# Altium PCB Copy of DIOT_temperature_logger.PcbDoc (part 1 of 7)
Units mm, origin at the board's own origin, x right, y up, seen from the top; angles counter-clockwise.
Board outline 301.1 x 109.1 mm, 4 copper layers (TOP, MID1, MID2, BOT), stack 1.564 mm thick; 651 components, 619 nets, 2526 pads, 1345 vias.
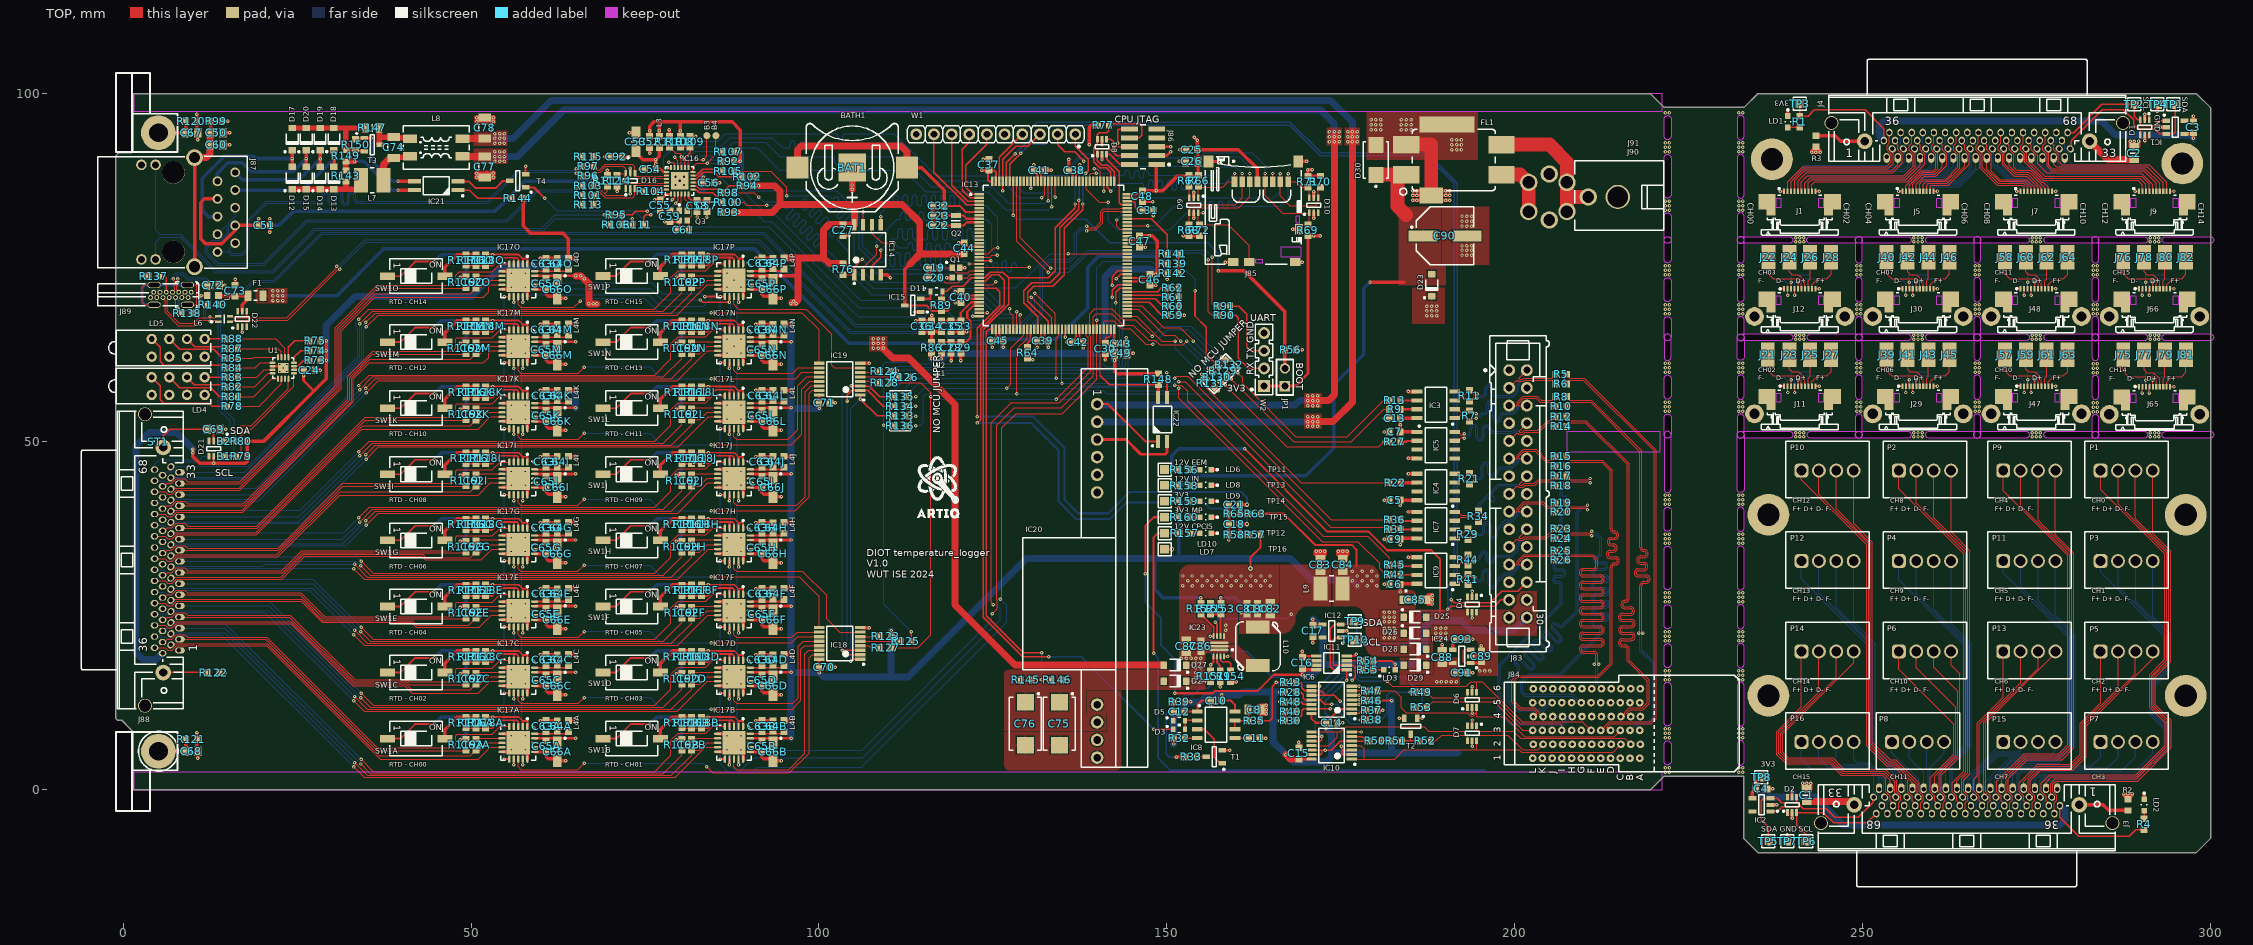
[diagram p0: TOP view]
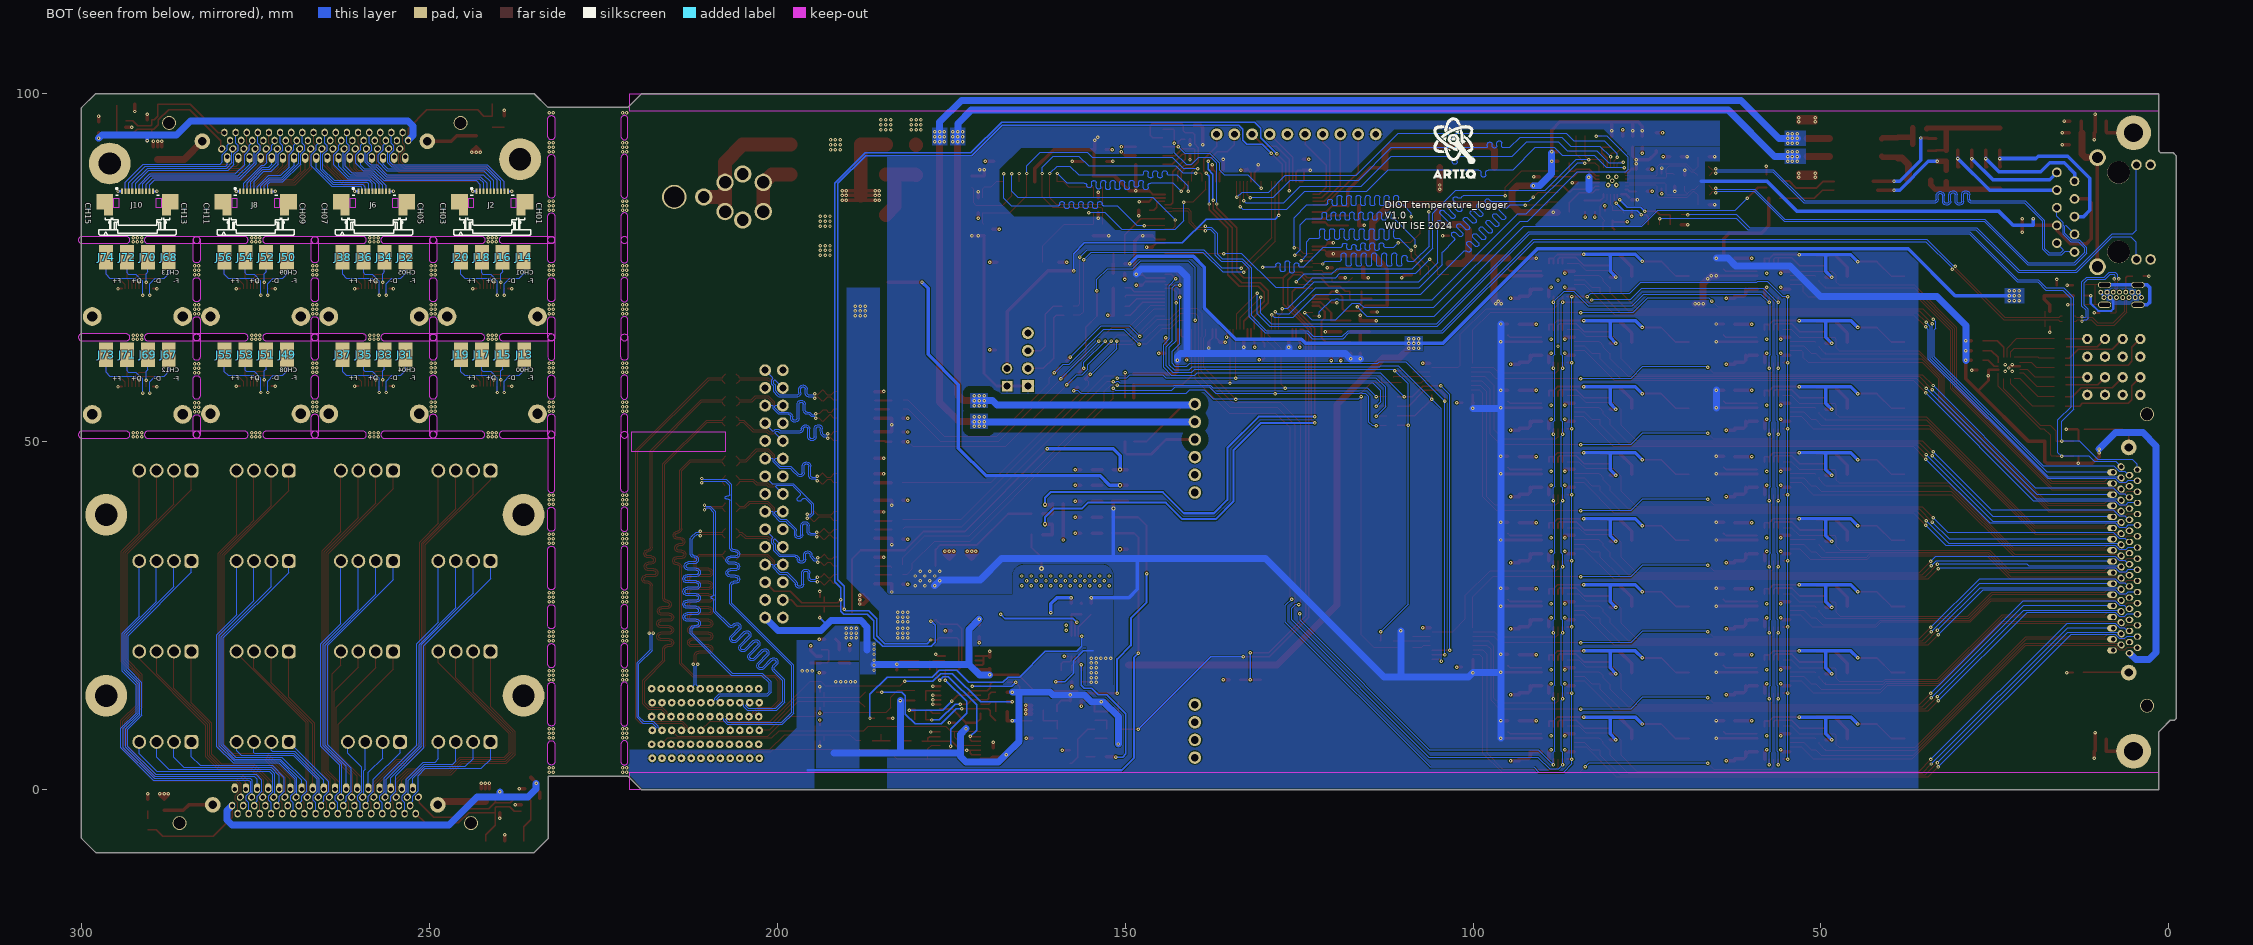
[diagram p1: BOT view, seen from below]
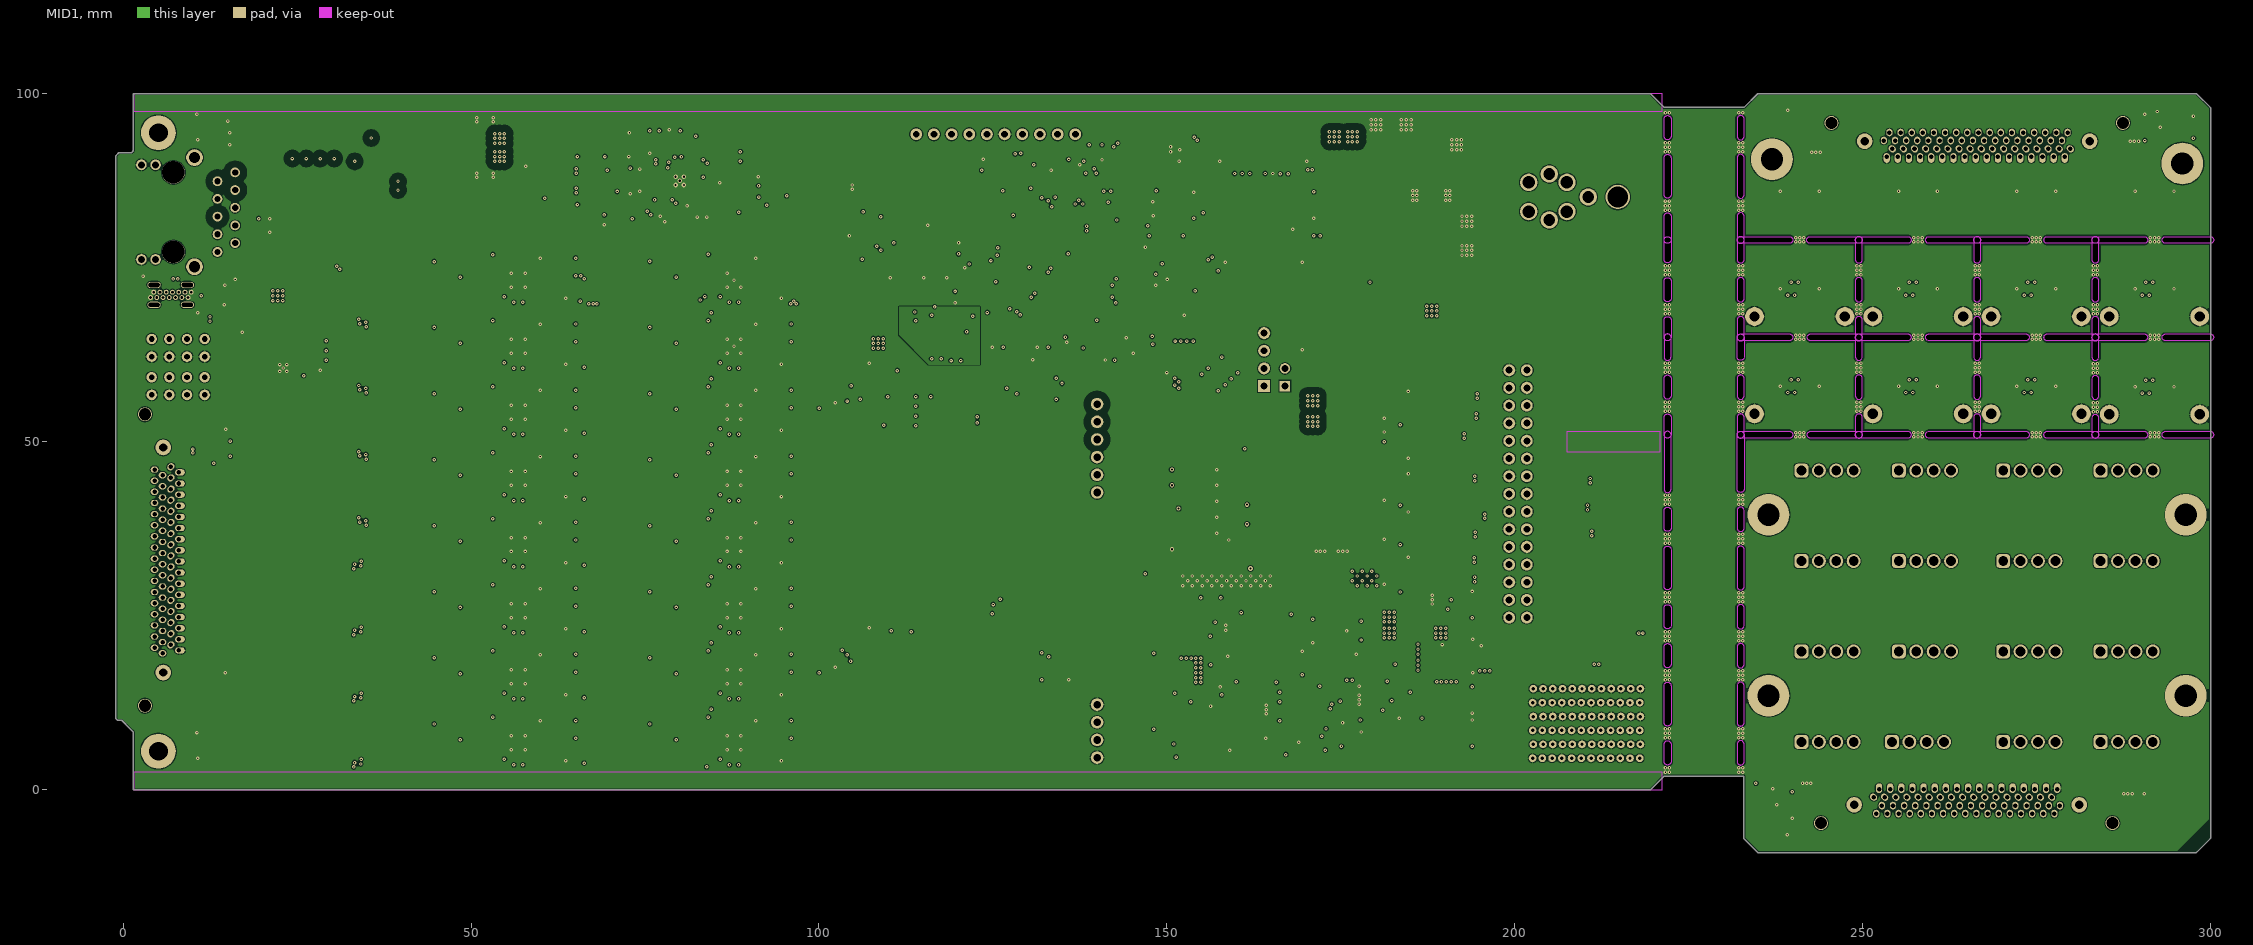
[diagram p2: MID1]
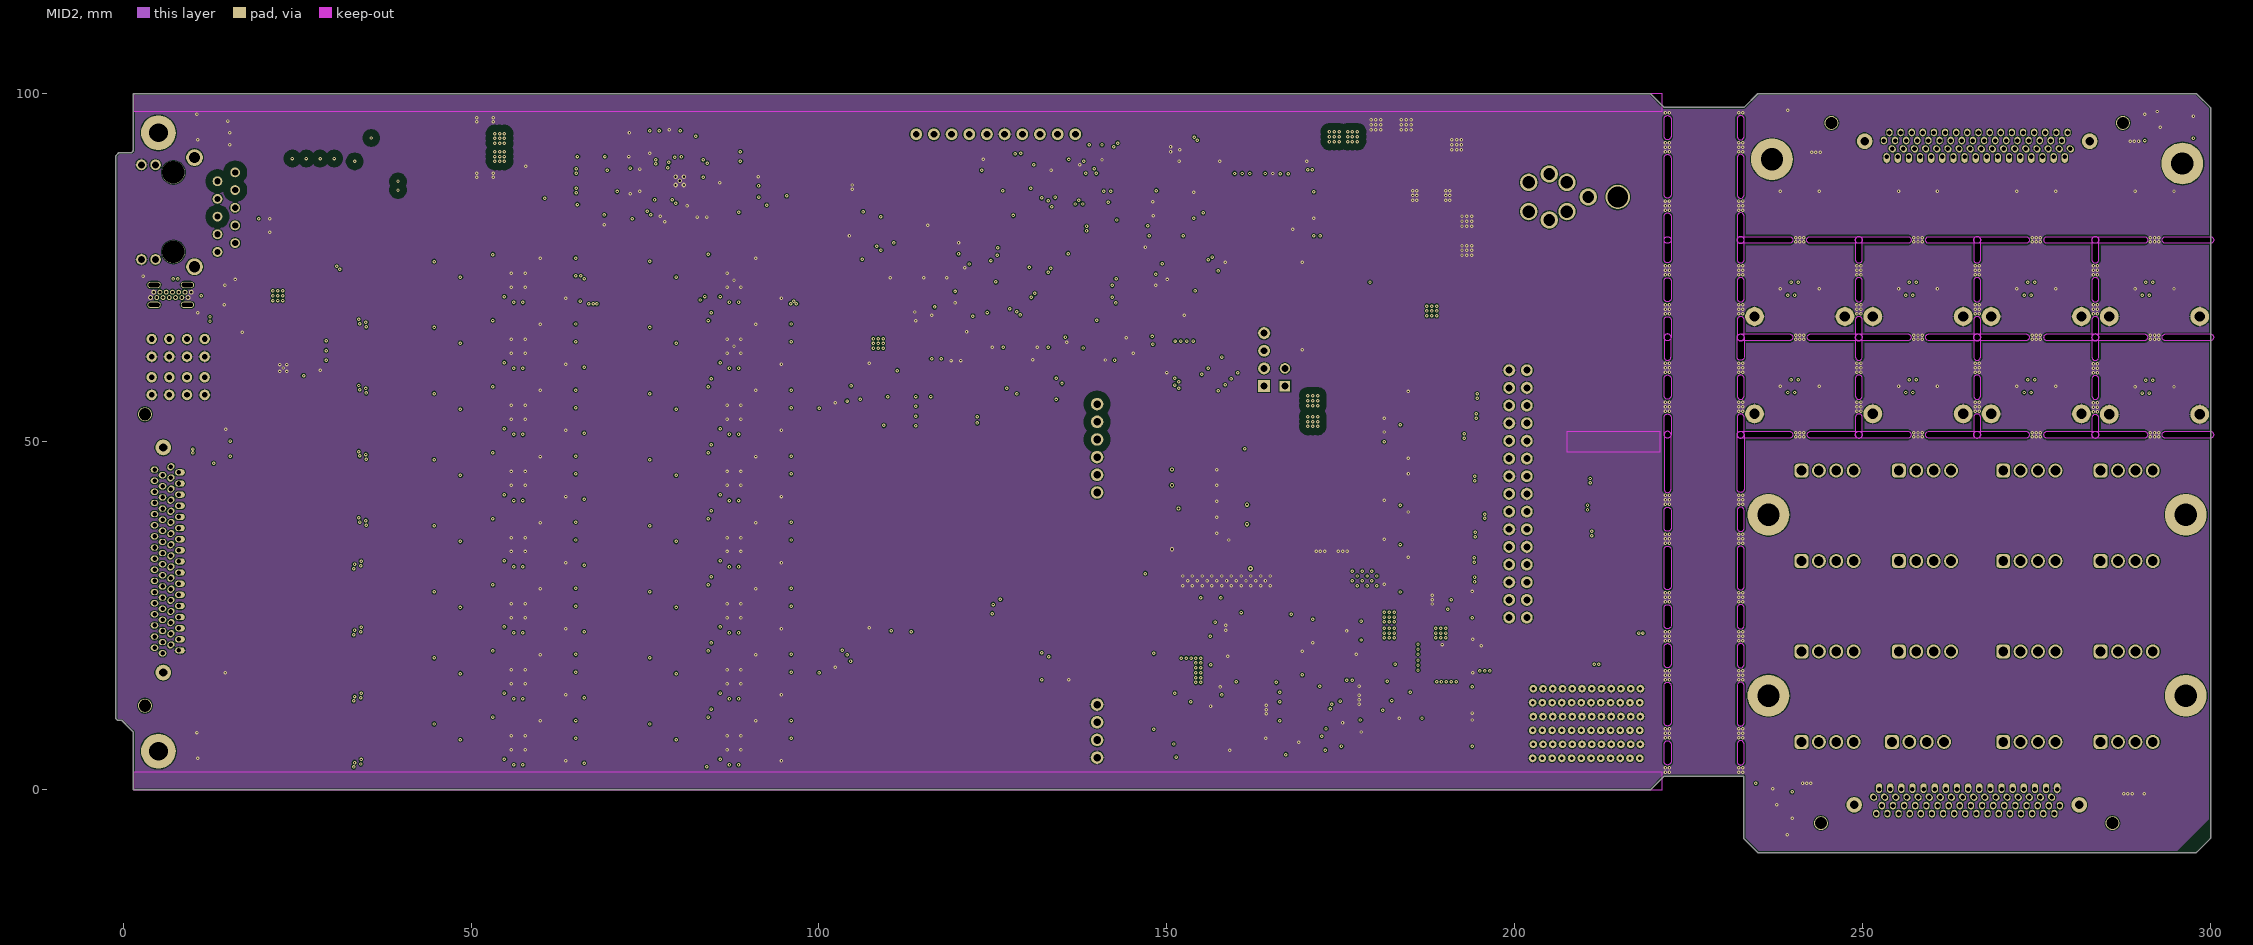
[diagram p3: MID2]

## Layer stack, top to bottom
TopSolder: solder mask 0.01, Solder Resist, Dk 3.5
TOP: signal copper 0.035
TOP 3313*1: prepreg 0.0994, PP-006, Dk 4.1
MID1: signal copper 0.0152
Dielectric2: core 1.265, Core-042, Dk 4.6
MID2: signal copper 0.0152
BOT 3313*1: prepreg 0.0994, PP-006, Dk 4.1
BOT: signal copper 0.035
BottomSolder: solder mask 0.01, Solder Resist, Dk 3.5

## Board outline
1.064,8.664 -0.221,9.95 -0.8,9.95 -0.836,9.964 -1.036,10.164 -1.05,10.2 -1.05,91.1 -1.036,91.136 -0.636,91.536 -0.6,91.55 1.179,91.55 1.45,91.821 1.45,100 1.5,100.05 219.5,100.05 219.536,100.036 221.521,98.051 232.961,98.051 232.976,98.048 234.964,100.036 235,100.051 298,100.051 298.036,100.036 300.036,98.036 300.05,98 300.05,65.001 300.05,51 300.05,-7 300.036,-7.035 298.036,-9.035 298,-9.05 235,-9.05 234.964,-9.035 232.964,-7.035 232.949,-6.999 232.949,1.949 221.521,1.949 219.536,-0.036 219.5,-0.05 1.5,-0.05 1.45,0 1.45,8.279
cut-out: 283.5,78.499 cw(c283.5,79) 283.5,79.5 290.5,79.5 cw(c290.5,79) 291,79 cw(c290.5,79) 290.5,78.499
cut-out: 276.6,78.499 cw(c276.6,79) 276.6,79.5 283.5,79.5 cw(c283.5,79) 284,79 cw(c283.5,79) 283.5,78.499
cut-out: 266.5,78.499 cw(c266.5,79) 266.5,79.5 273.5,79.5 cw(c273.5,79) 274,79 cw(c273.5,79) 273.5,78.499
cut-out: 259.6,78.5 cw(c259.6,79) 259.6,79.5 266.5,79.5 cw(c266.5,79) 267,79 cw(c266.5,79) 266.5,78.5
cut-out: 283,76.2 ccw(c283.5,76.2) 284,76.2 284,79 ccw(c283.5,79) 283,79
cut-out: 266,76.2 ccw(c266.5,76.2) 267,76.2 267,79 ccw(c266.5,79) 266,79
cut-out: 249,76.2 ccw(c249.5,76.2) 250,76.2 250,79 ccw(c249.5,79) 249,79
cut-out: 249.5,78.5 cw(c249.5,79) 249.5,79.5 256.5,79.5 cw(c256.5,79) 257,79 cw(c256.5,79) 256.5,78.5
cut-out: 242.5,78.5 cw(c242.5,79) 242.5,79.5 249.5,79.5 cw(c249.5,79) 250,79 cw(c249.5,79) 249.5,78.5
cut-out: 293.6,78.499 cw(c293.6,79) 293.6,79.5 300,79.5 cw(c300,79) 300.5,79 cw(c300,79) 300,78.499
cut-out: 232.5,78.5 cw(c232.5,79) 232.5,79.501 239.5,79.501 cw(c239.5,79) 240,79 cw(c239.5,79) 239.5,78.5
cut-out: 232.5,64.5 cw(c232.5,65) 232.5,65.501 239.5,65.501 cw(c239.5,65) 240,65 cw(c239.5,65) 239.5,64.5
cut-out: 242.6,64.5 cw(c242.6,65) 242.6,65.501 249.5,65.501 cw(c249.5,65) 250,65 cw(c249.5,65) 249.5,64.5
cut-out: 249.5,64.5 cw(c249.5,65) 249.5,65.501 256.5,65.501 cw(c256.5,65) 257,65 cw(c256.5,65) 256.5,64.5
cut-out: 259.6,64.5 cw(c259.6,65) 259.6,65.501 266.5,65.501 cw(c266.5,65) 267,65 cw(c266.5,65) 266.5,64.5
cut-out: 266.5,64.5 cw(c266.5,65) 266.5,65.5 273.5,65.5 cw(c273.5,65) 274,65 cw(c273.5,65) 273.5,64.5
cut-out: 276.6,64.5 cw(c276.6,65) 276.6,65.5 283.5,65.5 cw(c283.5,65) 284,65 cw(c283.5,65) 283.5,64.5
cut-out: 293.6,64.5 cw(c293.6,65) 293.6,65.5 300,65.5 cw(c300,65) 300.5,65 cw(c300,65) 300,64.5
cut-out: 283.5,64.5 cw(c283.5,65) 283.5,65.5 290.5,65.5 cw(c290.5,65) 291,65 cw(c290.5,65) 290.5,64.5
cut-out: 293.6,50.5 cw(c293.6,51) 293.6,51.5 300,51.5 cw(c300,51) 300.5,51 cw(c300,51) 300,50.5
cut-out: 283.5,50.5 cw(c283.5,51) 283.5,51.5 290.5,51.5 cw(c290.5,51) 291,51 cw(c290.5,51) 290.5,50.5
cut-out: 276.6,50.5 cw(c276.6,51) 276.6,51.5 283.5,51.5 cw(c283.5,51) 284,51 cw(c283.5,51) 283.5,50.5
cut-out: 266.5,50.5 cw(c266.5,51) 266.5,51.5 273.5,51.5 cw(c273.5,51) 274,51 cw(c273.5,51) 273.5,50.5
cut-out: 259.6,50.5 cw(c259.6,51) 259.6,51.501 266.5,51.501 cw(c266.5,51) 267,51 cw(c266.5,51) 266.5,50.5
cut-out: 249.5,50.5 cw(c249.5,51) 249.5,51.501 256.5,51.501 cw(c256.5,51) 257,51 cw(c256.5,51) 256.5,50.5
cut-out: 249,51 ccw(c249.5,51) 250,51 250,53.5 ccw(c249.5,53.5) 249,53.5
cut-out: 242.6,50.5 cw(c242.6,51) 242.6,51.501 249.5,51.501 cw(c249.5,51) 250,51 cw(c249.5,51) 249.5,50.5
cut-out: 232.5,50.5 cw(c232.5,51) 232.5,51.501 239.5,51.501 cw(c239.5,51) 240,51 cw(c239.5,51) 239.5,50.5
cut-out: 283,62.2 ccw(c283.5,62.2) 284,62.2 284,65 ccw(c283.5,65) 283,65
cut-out: 222.5,93.9 cw(c222,93.9) 221.5,93.9 221.5,96.4 cw(c222,96.4) 222.5,96.4
cut-out: 222.5,85.5 cw(c222,85.5) 221.5,85.5 221.5,90.8 cw(c222,90.8) 222.5,90.8
cut-out: 222.5,70.6 cw(c222,70.6) 221.5,70.6 221.5,73.1 cw(c222,73.1) 222.5,73.1
cut-out: 222.5,65 cw(c222,65) 221.5,65 221.5,67.5 cw(c222,67.5) 222.5,67.5
cut-out: 222.5,62.2 222.501,65 ccw(c222.001,65) 221.5,65.001 221.5,62.201 ccw(c222,62.2)
cut-out: 222.5,4.025 cw(c222,4.025) 221.5,4.025 221.5,6.525 cw(c222,6.525) 222.5,6.525
cut-out: 222.5,9.625 cw(c222,9.625) 221.5,9.625 221.5,14.925 cw(c222,14.925) 222.5,14.925
cut-out: 222.5,18 cw(c222,18) 221.5,18 221.5,20.5 cw(c222,20.5) 222.5,20.5
cut-out: 222.5,23.6 cw(c222,23.6) 221.5,23.6 221.5,26.1 cw(c222,26.1) 222.5,26.1
cut-out: 222.5,29.2 cw(c222,29.2) 221.5,29.2 221.5,34.5 cw(c222,34.5) 222.5,34.5
cut-out: 222.5,37.6 cw(c222,37.6) 221.5,37.6 221.5,40.1 cw(c222,40.1) 222.5,40.1
cut-out: 222.5,51 cw(c222,51) 221.5,51 221.5,53.5 cw(c222,53.5) 222.5,53.5
cut-out: 222.5,56.6 cw(c222,56.6) 221.5,56.6 221.5,59.1 cw(c222,59.1) 222.5,59.1
cut-out: 222.5,43.2 222.501,51 ccw(c222.001,51) 221.5,51 221.5,43.2 ccw(c222,43.2)
cut-out: 222.5,76.2 cw(c222,76.2) 221.5,76.2 221.5,79 cw(c222,79) 222.5,79
cut-out: 222.5,79 cw(c222,79) 221.5,79 221.5,82.4 cw(c222,82.4) 222.5,82.4
cut-out: 266,62.2 ccw(c266.5,62.2) 267,62.2 267,65 ccw(c266.5,65) 266,65
cut-out: 249,62.2 ccw(c249.5,62.2) 250,62.2 250,64.975 ccw(c249.5,64.975) 249,64.975
cut-out: 232,79 ccw(c232.5,79) 233,79 233,82.4 ccw(c232.5,82.4) 232,82.4
cut-out: 232,76.2 ccw(c232.5,76.2) 233,76.2 233,79 ccw(c232.5,79) 232,79
cut-out: 283,51 ccw(c283.5,51) 284,51 284,53.4 ccw(c283.5,53.4) 283,53.4
cut-out: 283,56.6 ccw(c283.5,56.6) 284,56.6 284,59 ccw(c283.5,59) 283,59
cut-out: 232,43.2 231.999,51 cw(c232.499,51) 233,51 233,43.2 cw(c232.5,43.2)
cut-out: 232,56.6 ccw(c232.5,56.6) 233,56.6 233,59.1 ccw(c232.5,59.1) 232,59.1
cut-out: 232,51 ccw(c232.5,51) 233,51 233,53.5 ccw(c232.5,53.5) 232,53.5
cut-out: 232,37.6 ccw(c232.5,37.6) 233,37.6 233,40.1 ccw(c232.5,40.1) 232,40.1
cut-out: 232,29.2 ccw(c232.5,29.2) 233,29.2 233,34.5 ccw(c232.5,34.5) 232,34.5
cut-out: 232,23.6 ccw(c232.5,23.6) 233,23.6 233,26.1 ccw(c232.5,26.1) 232,26.1
cut-out: 232,18 ccw(c232.5,18) 233,18 233,20.5 ccw(c232.5,20.5) 232,20.5
cut-out: 232,9.625 ccw(c232.5,9.625) 233,9.625 233,14.925 ccw(c232.5,14.925) 232,14.925
cut-out: 232,4.025 ccw(c232.5,4.025) 233,4.025 233,6.525 ccw(c232.5,6.525) 232,6.525
cut-out: 232,62.2 231.999,65 cw(c232.499,65) 233,65.001 233,62.201 cw(c232.5,62.2)
cut-out: 232,65 ccw(c232.5,65) 233,65 233,67.5 ccw(c232.5,67.5) 232,67.5
cut-out: 232,70.6 ccw(c232.5,70.6) 233,70.6 233,73.1 ccw(c232.5,73.1) 232,73.1
cut-out: 232,85.5 ccw(c232.5,85.5) 233,85.5 233,90.8 ccw(c232.5,90.8) 232,90.8
cut-out: 232,93.9 ccw(c232.5,93.9) 233,93.9 233,96.4 ccw(c232.5,96.4) 232,96.4
cut-out: 266,56.6 ccw(c266.5,56.6) 267,56.6 267,59.1 ccw(c266.5,59.1) 266,59.1
cut-out: 266,51 ccw(c266.5,51) 267,51 267,53.5 ccw(c266.5,53.5) 266,53.5
cut-out: 283,70.6 ccw(c283.5,70.6) 284,70.6 284,73.1 ccw(c283.5,73.1) 283,73.1
cut-out: 283,65 ccw(c283.5,65) 284,65 284,67.5 ccw(c283.5,67.5) 283,67.5
cut-out: 266,70.6 ccw(c266.5,70.6) 267,70.6 267,73.1 ccw(c266.5,73.1) 266,73.1
cut-out: 266,65 ccw(c266.5,65) 267,65 267,67.5 ccw(c266.5,67.5) 266,67.5
cut-out: 249,56.6 ccw(c249.5,56.6) 250,56.6 250,59.1 ccw(c249.5,59.1) 249,59.1
cut-out: 249,65 ccw(c249.5,65) 250,65 250,67.5 ccw(c249.5,67.5) 249,67.5
cut-out: 249,70.6 ccw(c249.5,70.6) 250,70.6 250,73.1 ccw(c249.5,73.1) 249,73.1

## Design rules (kind name [scope] priority, off if disabled: settings)
AcuteAngle [All] p1: minimum=6.00000000000000E+0001 checktracksonly=FALSE
BoardOutlineClearance [All] p1: gap=0.254 ignorepadtopadclearanceinfootprint=FALSE except(0: Arc-SplitContinuation Track-SplitContinuation SMDPad-SplitContinuation THPad-SplitContinuation Via-SplitContinuation Fill-SplitContinuation Poly-SplitContinuation Region-SplitContinuation Text-SplitContinuation)
Clearance Clearance_1 [All vs HasFootprint('MOLEX_52745-1097')] p1: gap=0.127 ignorepadtopadclearanceinfootprint=FALSE except(0: Arc-Hole Track-Hole SMDPad-SMDPad SMDPad-THPad SMDPad-Via SMDPad-Fill SMDPad-Poly SMDPad-Region SMDPad-Text SMDPad-Hole THPad-Hole Via-Hole Fill-Hole Poly-Hole Region-Hole Text-Hole)
Clearance Clearance_SDcard [InNet('SD_CK') vs InNetClass('SD')] p2 off: gap=0.102 ignorepadtopadclearanceinfootprint=FALSE except(0.508: Arc-Arc Arc-Track Track-Track Via-Via Via-Fill Via-Poly Via-Region Via-Text Via-Hole Fill-Fill Fill-Poly Fill-Region Fill-Text Fill-Hole Poly-Poly Poly-Region Poly-Text Poly-Hole Region-Region Region-Text Region-Hole Text-Text Text-Hole)
Clearance Clearance_HV [InNetClass('HV') vs not InNetClass('HV')] p3: gap=1 ignorepadtopadclearanceinfootprint=TRUE except(0: Arc-Hole Track-Hole SMDPad-Hole THPad-Hole Via-Hole Fill-Hole Poly-Hole Region-Hole Text-Hole)
Clearance Clearance_DIFF [(InDifferentialPairClass('All Differential Pairs')and IsTrack ) vs (InDifferentialPairClass('All Differential Pairs') and IsTrack  )] p4 off: gap=0.127 ignorepadtopadclearanceinfootprint=FALSE except(0: Arc-Hole Track-Hole SMDPad-Hole THPad-Hole Via-Hole Fill-Hole Poly-Hole Region-Hole Text-Hole)
Clearance [All] p5: gap=0.127 ignorepadtopadclearanceinfootprint=FALSE except(0: Arc-Hole Track-Hole SMDPad-Hole THPad-Hole Via-Hole Fill-Hole Poly-Hole Region-Hole Text-Hole)
ComponentClearance [All] p1: gap=0 collisioncheckmode=3 verticalgap=0 showdistances=FALSE
DiffPairsRouting DiffPairsRouting_PHY_T [InDifferentialPairClass('PHY_T')] p1: maxlimit=0.203 minlimit=0.152 mostfreqgap=0.203 toplayer_maxgap=0.152 toplayer_prefgap=0.152 toplayer_minwidth=0.127 toplayer_maxwidth=0.127 toplayer_prefwidth=0.127 midlayer1_mingap=0.203 midlayer1_minwidth=0.102 midlayer1_maxwidth=0.102 midlayer1_prefwidth=0.102 midlayer2_mingap=0.203 midlayer2_minwidth=0.102 midlayer2_maxwidth=0.102 midlayer2_prefwidth=0.102 bottomlayer_maxgap=0.152 bottomlayer_prefgap=0.152 bottomlayer_minwidth=0.127 bottomlayer_maxwidth=0.127 bottomlayer_prefwidth=0.127 impedanceprofiledriven=TRUE impedanceprofileid={72595B2D-DB80-4762-8402-0ED76FD3E2C2} impedanceprofilevalue=100.000000 maxuncoupledlength=12.7
DiffPairsRouting DiffPairsRouting_PHY [InDifferentialPairClass('PHY')] p2: maxlimit=0.203 minlimit=0.152 mostfreqgap=0.203 toplayer_maxgap=0.152 toplayer_prefgap=0.152 toplayer_minwidth=0.127 toplayer_maxwidth=0.127 toplayer_prefwidth=0.127 midlayer1_mingap=0.203 midlayer1_minwidth=0.102 midlayer1_maxwidth=0.102 midlayer1_prefwidth=0.102 midlayer2_mingap=0.203 midlayer2_minwidth=0.102 midlayer2_maxwidth=0.102 midlayer2_prefwidth=0.102 bottomlayer_maxgap=0.152 bottomlayer_prefgap=0.152 bottomlayer_minwidth=0.127 bottomlayer_maxwidth=0.127 bottomlayer_prefwidth=0.127 impedanceprofiledriven=TRUE impedanceprofileid={72595B2D-DB80-4762-8402-0ED76FD3E2C2} impedanceprofilevalue=100.000000 maxuncoupledlength=12.7
DiffPairsRouting DiffPairsRouting_USB [InDifferentialPairClass('USB')] p3: maxlimit=0.152 minlimit=0.127 mostfreqgap=0.152 toplayer_mingap=0.152 toplayer_minwidth=0.16 toplayer_maxwidth=0.16 toplayer_prefwidth=0.16 midlayer1_maxgap=0.127 midlayer1_prefgap=0.127 midlayer1_minwidth=0.108 midlayer1_maxwidth=0.108 midlayer1_prefwidth=0.108 midlayer2_maxgap=0.127 midlayer2_prefgap=0.127 midlayer2_minwidth=0.108 midlayer2_maxwidth=0.108 midlayer2_prefwidth=0.108 bottomlayer_mingap=0.152 bottomlayer_minwidth=0.16 bottomlayer_maxwidth=0.16 bottomlayer_prefwidth=0.16 impedanceprofiledriven=TRUE impedanceprofileid={037889F8-43CA-405E-8561-61A34FA8F9C2} impedanceprofilevalue=90.000000 maxuncoupledlength=12.7
DiffPairsRouting DiffPairsRouting_LVDS [InDifferentialPairClass('BP_IO') or InDifferentialPairClass('LVDS')] p4: maxlimit=0.152 minlimit=0.127 mostfreqgap=0.152 toplayer_mingap=0.152 toplayer_minwidth=0.127 toplayer_maxwidth=0.127 toplayer_prefwidth=0.127 midlayer1_maxgap=0.127 midlayer1_prefgap=0.127 midlayer1_minwidth=0.081 midlayer1_maxwidth=0.081 midlayer1_prefwidth=0.081 midlayer2_maxgap=0.127 midlayer2_prefgap=0.127 midlayer2_minwidth=0.081 midlayer2_maxwidth=0.081 midlayer2_prefwidth=0.081 bottomlayer_mingap=0.152 bottomlayer_minwidth=0.127 bottomlayer_maxwidth=0.127 bottomlayer_prefwidth=0.127 impedanceprofiledriven=TRUE impedanceprofileid={ED597564-6D22-4C41-AEDB-F21F24BAB821} impedanceprofilevalue=100.000000 maxuncoupledlength=12.7
FabricationTestPointUsage TestPointUsage [All] p1: valid=0 allowmultiple=FALSE
FabricationTestpoint Testpoint [All] p1: side=3 testpointundercomponent=TRUE minsize=1.016 maxsize=2.54 preferedsize=1.524 minholesize=0.508 maxholesize=1.016 preferedholesize=0.813 testpointgrid=0.025 allowsidetop=TRUE allowsidebottom=TRUE usegrid=TRUE gridtolerance=0
Height [All] p1: minheight=0 maxheight=40 prefheight=40
HoleSize [All] p1: absolutevalues=TRUE maxlimit=3.81 minlimit=0.025 maxpercent=80.000 minpercent=20.000
HoleToHoleClearance [All] p1: gap=0.025 allowstackedmicrovias=TRUE
MatchedLengths "Schematic Matched Net Lengths_3" [InNet('PHY_RD_N')] p1: tolerance=2.54 checknetsindiffpair=TRUE checkdiffpairvsdiffpair=FALSE checkxsignals=FALSE checkothers=FALSE
MatchedLengths "Schematic Matched Net Lengths_2" [InNet('PHY_TD_N')] p2: tolerance=2.54 checknetsindiffpair=TRUE checkdiffpairvsdiffpair=FALSE checkxsignals=FALSE checkothers=FALSE
MatchedLengths "Schematic Matched Net Lengths_1" [InNet('PHY_RD_P')] p3: tolerance=2.54 checknetsindiffpair=TRUE checkdiffpairvsdiffpair=FALSE checkxsignals=FALSE checkothers=FALSE
MatchedLengths "Schematic Matched Net Lengths" [InNet('PHY_TD_P')] p4: tolerance=2.54 checknetsindiffpair=TRUE checkdiffpairvsdiffpair=FALSE checkxsignals=FALSE checkothers=FALSE
MatchedLengths MatchedLengths_PHY [InDifferentialPairClass('PHY')] p5: tolerance=25.4 checknetsindiffpair=FALSE checkdiffpairvsdiffpair=TRUE checkxsignals=TRUE checkothers=TRUE usedelayunits=TRUE delaytolerance=10.000000
MatchedLengths [InNetClass('PHY_T')] p6: tolerance=25.4 checknetsindiffpair=FALSE checkdiffpairvsdiffpair=TRUE checkxsignals=TRUE checkothers=TRUE usedelayunits=TRUE delaytolerance=10.000000
MatchedLengths MatchedLengths_BP_IO [InNetClass('BP_IO')] p7: tolerance=2.54 checknetsindiffpair=FALSE checkdiffpairvsdiffpair=TRUE checkxsignals=TRUE checkothers=TRUE usedelayunits=TRUE delaytolerance=10.000000
MatchedLengths MatchedLengths_RMII [InNetClass('RMII')] p8: tolerance=0.254 checknetsindiffpair=FALSE checkdiffpairvsdiffpair=TRUE checkxsignals=TRUE checkothers=TRUE usedelayunits=TRUE delaytolerance=10.000000
MatchedLengths MatchedLengths_LVDS_DIFF [InNetClass('LVDS')] p9 off: tolerance=0.254 checknetsindiffpair=TRUE checkdiffpairvsdiffpair=FALSE checkxsignals=FALSE checkothers=FALSE usedelayunits=TRUE delaytolerance=20.000000
MatchedLengths MatchedLengths_USB [InNetClass('USB')] p10: tolerance=2 checknetsindiffpair=TRUE checkdiffpairvsdiffpair=FALSE checkxsignals=FALSE checkothers=FALSE
MatchedLengths MatchedLengths_SD [InNetClass('SD')] p11: tolerance=1.27 checknetsindiffpair=TRUE checkdiffpairvsdiffpair=FALSE checkxsignals=FALSE checkothers=FALSE
MatchedLengths MatchedLengths_LVDS_PAIR [InNetClass('LVDS')] p12: tolerance=2 checknetsindiffpair=FALSE checkdiffpairvsdiffpair=TRUE checkxsignals=TRUE checkothers=TRUE
MatchedLengths MatchedLengths_QSPI [InNetClass('QSPI')] p13: tolerance=1.016 checknetsindiffpair=FALSE checkdiffpairvsdiffpair=TRUE checkxsignals=TRUE checkothers=TRUE usedelayunits=TRUE delaytolerance=5.000000
MinimumSolderMaskSliver [All] p1: minsoldermaskwidth=0.102
ParallelSegment ParallelSegment_USB [InNetClass('USB')] p1: limit=254 gap=0.254
ParallelSegment ParallelSegment_RMII [InNetClass('RMII')] p2: limit=10 gap=0.5
ParallelSegment ParallelSegment_LVDS [InNetClass('LVDS')] p3: limit=10 gap=0.5
ParallelSegment ParallelSegment_SPI [InNetClass('SPI')] p4: limit=20 gap=0.5